# Allegro board reComputer Industrial J201_V1.2.brd (continued)
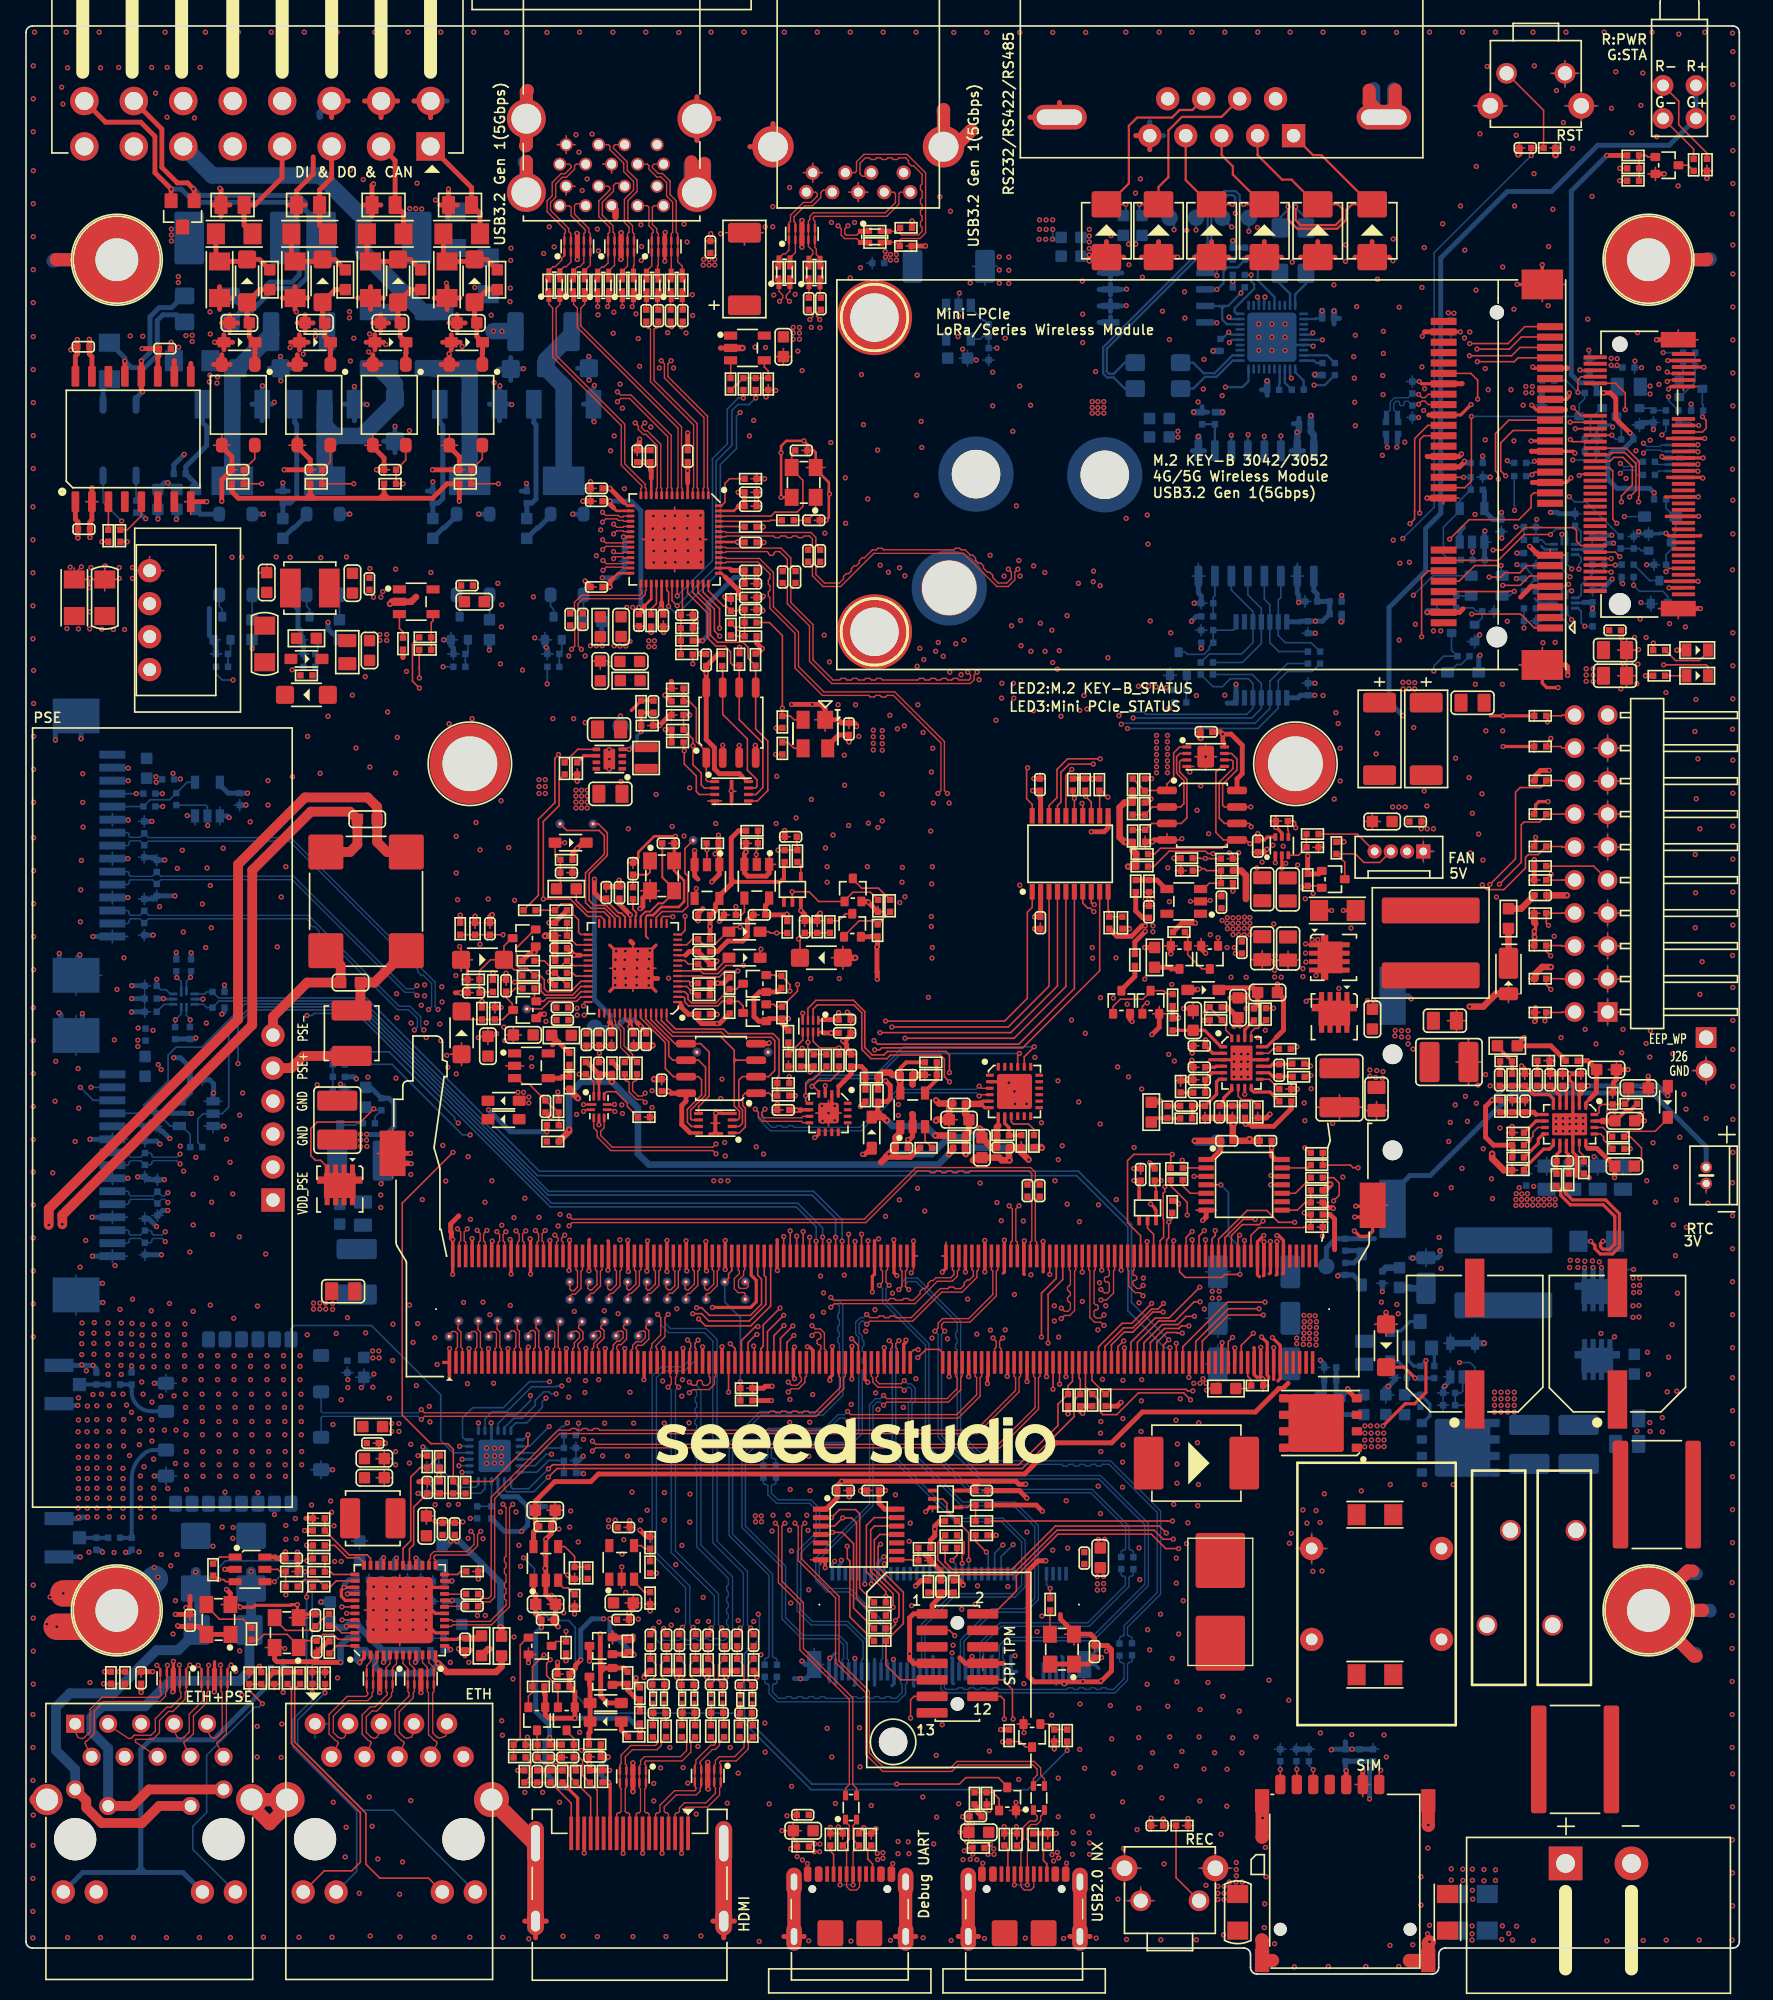
[diagram p0: board, top side]
## Routing (per net, layer and track width the routed paths; a pad name or vN(x,y) marks a point on that pad's centre or on a via; arc(x,y) is an arc through that point) (continued)
CH343_VIO: length 5.2
  TOP w0.254: 62.61,68.37 62.58,68.34 U30.1
  TOP w0.381: 62.61,68.37 62.64,68.37 63.58,69.32 C115.1 64.35,69.88 64.67,69.57 R167.2 64.67,69.02 R172.2
COMP_DC1: length 2.9
  TOP w0.254: U31.5 118.18,67.65 C126.1 C125.1
COMP_DC2: length 2.6
  TOP w0.254: C123.1 C119.1 91.4,69.4 U25.5
CP2102_VIO: length 13.7
  TOP w0.254: U54.6 73.86,66.71 73.54,67.03 73.72,67.21 U54.5
  TOP w0.508: v1(78.26,63.62) 78.21,63.67 R421.1 ; v1(72.42,63.14) 72.35,63.21 R422.1 R420.1 72.65,64.86 C294.1 72.52,65.91 72.52,66.09 72.35,66.26 C295.1 72.38,67 73.51,67 73.54,67.03
  BOTTOM w0.508: v1(78.26,63.62) 72.9,63.62 v1(72.42,63.14)
CSI0_CLK_N: length 56.6
  TOP w0.107: v1(34.76,57.26) 34.99,57.03 34.99,56.46 34.88,56.35 J9.10
  LAY3 w0.084: v1(31.02,74.26) 31.26,74.02 31.26,60.07 32.16,59.17 33.14,59.17 33.37,59.39 33.37,60.33 33.45,60.41 33.62,60.41 33.7,60.33 33.7,59.39 33.92,59.17 34.63,59.17 35.01,58.79 35.01,57.51 v1(34.76,57.26)
  BOTTOM w0.107: J20.8 7.84,86.89 7.95,87 7.95,87.15 8.05,87.25 8.77,87.25 D74.2 9.43,87.24 20.28,87.24 28.36,79.15 28.36,78.97 28.58,78.76 28.76,78.76 28.98,78.54 28.98,78.36 29.19,78.15 29.37,78.15 29.59,77.93 29.59,77.75 29.8,77.54 29.98,77.54 30.2,77.32 30.2,77.14 30.41,76.92 30.59,76.92 31.26,76.26 31.26,74.5 v1(31.02,74.26)
CSI0_CLK_P: length 56.6
  TOP w0.107: v1(35.51,57.26) 35.26,57.01 35.26,56.46 35.38,56.35 J9.12
  LAY3 w0.084: v1(31.75,74.26) 31.5,74.02 31.5,60.17 32.26,59.41 33.05,59.41 33.13,59.49 33.13,60.43 33.35,60.65 33.72,60.65 33.94,60.43 33.94,59.49 34.02,59.41 34.73,59.41 35.24,58.89 35.24,57.54 v1(35.51,57.26)
  BOTTOM w0.107: v1(31.75,74.26) 31.53,74.49 31.53,76.37 20.39,87.51 9.43,87.51 D73.2 8.81,87.52 8.05,87.52 7.95,87.63 7.95,87.78 7.84,87.89 J20.9
CSI0_D0_N: length 56.9
  TOP w0.107: J9.4 33.38,56.35 33.49,56.46 33.49,57.13 v1(33.25,57.38)
  LAY3 w0.084: v1(33.25,57.38) 33.51,57.64 33.51,57.83 33.31,58.03 32.35,58.03 32.26,57.94 32.26,57.53 31.98,57.25 31.53,57.25 31.31,57.47 31.31,58.32 31.22,58.41 31.06,58.41 30.97,58.32 30.97,57.47 30.75,57.25 30.39,57.25 30.16,57.47 30.16,58.58 30.08,58.66 29.91,58.66 29.83,58.58 29.83,57.47 29.61,57.25 29.18,57.25 28.96,57.47 28.96,60.04 30.17,61.26 30.17,72.44 v1(29.92,72.69)
  BOTTOM w0.107: J20.2 7.84,80.89 7.95,81 7.95,81.15 8.05,81.25 8.41,81.25 8.41,81.25 8.78,81.25 D78.2 9.44,81.25 21.64,81.25 21.85,81.04 21.85,80.86 22.07,80.64 22.25,80.64 22.58,80.32 22.58,80.14 22.79,79.92 22.97,79.92 23.35,79.54 23.35,79.36 23.57,79.15 23.75,79.15 24.04,78.86 24.04,78.68 24.25,78.46 24.43,78.46 28.64,74.25 29.48,74.25 30.15,73.58 30.15,72.92 v1(29.92,72.69)
CSI0_D0_P: length 57
  TOP w0.107: v1(34,57.38) 33.76,57.13 33.76,56.46 33.88,56.35 J9.6
  LAY3 w0.084: v1(30.66,72.69) 30.41,72.44 30.41,61.16 29.19,59.94 29.19,57.57 29.28,57.48 29.51,57.48 29.59,57.57 29.59,58.68 29.82,58.9 30.18,58.9 30.4,58.68 30.4,57.57 30.48,57.48 30.65,57.48 30.74,57.57 30.74,58.42 30.96,58.64 31.32,58.64 31.54,58.42 31.54,57.57 31.63,57.48 31.88,57.48 32.03,57.62 32.03,58.04 32.25,58.26 33.4,58.26 33.74,57.92 33.74,57.64 v1(34,57.38)
  BOTTOM w0.107: v1(30.66,72.69) 30.42,72.92 30.42,73.69 29.6,74.52 28.76,74.52 21.75,81.52 9.44,81.52 D77.2 8.78,81.52 8.3,81.52 8.05,81.52 7.95,81.63 7.95,81.78 7.84,81.89 J20.3
CSI0_D1_N: length 60.7
  TOP w0.107: v1(36.27,57.17) 36.49,56.95 36.49,56.46 36.38,56.35 J9.16
  LAY3 w0.084: v1(36.27,57.17) 36.51,56.93 36.51,56.26 36.3,56.05 35.59,56.05 35.46,56.18 35.16,56.18 35.03,56.05 34.73,56.05 34.6,56.18 34.29,56.18 34.17,56.05 33.86,56.05 33.74,56.18 33.43,56.18 33.3,56.05 32.62,56.05 32.49,56.18 32.19,56.18 32.06,56.05 29.01,56.05 28.07,56.99 28.07,58.03 28.2,58.16 28.2,58.47 28.07,58.59 28.07,58.95 28.2,59.08 28.2,59.38 28.07,59.51 28.07,59.81 28.2,59.94 28.2,60.24 28.07,60.37 28.07,60.68 29.24,61.84 29.24,70.89 29.37,71.01 29.37,71.32 29.24,71.45 29.24,71.83 29.37,71.95 29.37,72.26 29.24,72.38 29.24,73.55 29.37,73.68 29.37,73.99 29.24,74.11 29.24,74.42 29.37,74.54 29.37,74.85 29.24,74.98 29.24,75.28 29.57,75.61 29.87,75.61 v1(30.13,75.35)
  BOTTOM w0.107: J20.5 7.84,83.89 7.95,84 7.95,84.15 8.05,84.25 9.76,84.25 D76.2 10.4,84.26 20.51,84.26 29.18,75.6 29.88,75.6 v1(30.13,75.35)
CSI0_D1_P: length 60.7
  TOP w0.107: J9.18 36.88,56.35 36.76,56.46 36.76,56.95 v1(36.98,57.17)
  LAY3 w0.084: v1(36.98,57.17) 36.74,56.93 36.74,56.16 36.4,55.82 28.91,55.82 27.83,56.89 27.83,60.77 29,61.94 29,75.38 29.47,75.85 29.87,75.85 v1(30.13,76.11)
  BOTTOM w0.107: J20.6 7.84,84.89 7.95,84.78 7.95,84.63 8.05,84.52 9.74,84.52 D75.2 10.4,84.53 20.62,84.53 29.29,75.86 29.88,75.86 v1(30.13,76.11)
CSI1_CLK_N: length 3.2
  TOP w0.107: J9.9 34.63,48.15 34.74,48.26 34.74,49.33 34.6,49.47 34.34,49.47 34.15,49.29 TP42.1
CSI1_CLK_P: length 3.3
  TOP w0.107: TP27.1 34.83,50.27 34.83,49.63 35.01,49.44 35.01,48.26 35.13,48.15 J9.11
CSI1_D0_N: length 3.2
  TOP w0.107: J9.3 33.13,48.15 33.24,48.26 33.24,49.32 33.09,49.47 32.82,49.47 32.6,49.25 TP41.1
CSI1_D0_P: length 3.4
  TOP w0.107: J9.5 33.63,48.15 33.51,48.26 33.51,49.43 33.28,49.67 33.28,50.22 TP26.1
CSI1_D1_N: length 3.2
  TOP w0.107: J9.15 36.13,48.15 36.24,48.26 36.24,49.33 36.12,49.45 35.82,49.45 35.65,49.28 TP43.1
CSI1_D1_P: length 3.4
  TOP w0.107: TP28.1 36.3,50.24 36.3,49.65 36.51,49.44 36.51,48.26 36.63,48.15 J9.17
CSI2_CLK_N: length 54.5
  TOP w0.107: v1(39.25,57.25) 39.49,57.01 39.49,56.46 39.38,56.35 J9.28
  LAY3 w0.084: v1(39.25,57.25) 39.51,56.99 39.51,55.45 37.53,53.47 37.16,53.47 37.04,53.6 36.73,53.6 36.61,53.47 36.3,53.47 36.17,53.6 35.87,53.6 35.74,53.47 35.44,53.47 35.31,53.6 35.01,53.6 34.88,53.47 34.57,53.47 34.45,53.6 34.14,53.6 34.01,53.47 10.89,53.47 10.77,53.6 10.46,53.6 10.33,53.47 10.03,53.47 9.38,54.12 9.38,54.3 9.16,54.52 8.98,54.52 8.77,54.73 8.77,55.09 8.89,55.21 8.89,55.52 8.77,55.65 8.77,55.95 8.89,56.08 8.89,56.38 8.77,56.51 8.77,57.32 9.45,58.01 10.47,58.01 10.6,57.88 10.9,57.88 11.03,58.01 11.33,58.01 12.09,58.77 12.09,59.08 12.22,59.2 12.22,59.51 12.09,59.63 12.09,59.99 12.22,60.12 12.22,60.42 12.09,60.55 12.09,60.95 11.21,61.84 11.21,62.45 11.39,62.64 11.61,62.64 v1(11.87,62.38)
  BOTTOM w0.107: v1(11.87,62.38) 11.63,62.62 9.8,62.62 9.7,62.52 9.7,62.41 9.59,62.3 D82.2 8.84,62.62 8.05,62.62 7.95,62.52 7.95,62.38 7.84,62.28 J23.8
CSI2_CLK_P: length 54.6
  TOP w0.107: J9.30 39.88,56.35 39.76,56.46 39.76,57.01 v1(40,57.25)
  LAY3 w0.084: v1(11.87,63.14) 11.61,62.88 11.29,62.88 10.97,62.55 10.97,61.75 11.86,60.86 11.86,58.87 11.23,58.24 9.35,58.24 8.53,57.42 8.53,54.63 9.93,53.23 37.63,53.23 39.74,55.35 39.74,56.99 v1(40,57.25)
  BOTTOM w0.107: J23.9 7.84,63.28 7.95,63.17 7.95,63.02 8.07,62.89 8.84,62.89 D81.2 9.59,63.21 9.7,63.11 9.7,63 9.8,62.89 11.63,62.89 v1(11.87,63.14)
CSI2_D0_N: length 49.8
  TOP w0.107: v1(37.75,57.23) 37.99,56.98 37.99,56.46 37.88,56.35 J9.22
  LAY3 w0.084: v1(10.73,56.4) 10.47,56.66 10.08,56.66 9.86,56.43 9.86,55.19 10.54,54.51 10.88,54.51 11,54.64 11.31,54.64 11.43,54.51 11.74,54.51 11.87,54.64 12.17,54.64 12.3,54.51 12.6,54.51 12.73,54.64 13.03,54.64 13.16,54.51 13.47,54.51 13.59,54.64 13.9,54.64 14.02,54.51 14.33,54.51 14.46,54.64 14.76,54.64 14.89,54.51 16,54.51 16.08,54.59 16.08,54.97 16.3,55.19 16.67,55.19 16.89,54.97 16.89,54.59 16.97,54.51 17.98,54.51 18.07,54.59 18.07,54.66 18.29,54.88 18.65,54.88 18.88,54.66 18.88,54.59 18.96,54.51 19.13,54.51 19.21,54.59 19.21,54.66 19.43,54.88 19.8,54.88 20.02,54.66 20.02,54.59 20.1,54.51 21.37,54.51 21.46,54.59 21.46,54.87 21.68,55.09 22.04,55.09 22.26,54.87 22.26,54.59 22.35,54.51 22.52,54.51 22.6,54.59 22.6,54.87 22.82,55.09 23.18,55.09 23.41,54.87 23.41,54.59 23.49,54.51 23.66,54.51 23.74,54.59 23.74,54.87 23.96,55.09 24.33,55.09 24.55,54.87 24.55,54.59 24.63,54.51 24.8,54.51 24.88,54.59 24.88,54.87 25.11,55.09 25.47,55.09 25.69,54.87 25.69,54.59 25.78,54.51 25.94,54.51 26.03,54.59 26.03,54.87 26.25,55.09 26.61,55.09 26.84,54.87 26.84,54.59 26.92,54.51 27.09,54.51 27.17,54.59 27.17,54.87 27.39,55.09 27.76,55.09 27.98,54.87 27.98,54.59 28.06,54.51 28.23,54.51 28.31,54.59 28.31,54.87 28.54,55.09 28.9,55.09 29.12,54.87 29.12,54.59 29.21,54.51 29.37,54.51 29.46,54.59 29.46,54.87 29.68,55.09 30.04,55.09 30.26,54.87 30.26,54.59 30.35,54.51 30.69,54.51 30.77,54.59 30.77,54.87 31,55.09 31.36,55.09 31.58,54.87 31.58,54.59 31.66,54.51 32.52,54.51 32.64,54.64 32.95,54.64 33.07,54.51 33.38,54.51 33.51,54.64 33.81,54.64 33.94,54.51 34.24,54.51 34.37,54.64 34.67,54.64 34.8,54.51 35.11,54.51 35.23,54.64 35.54,54.64 35.67,54.51 35.97,54.51 36.1,54.64 36.4,54.64 36.53,54.51 36.91,54.51 38.01,55.6 38.01,56.97 v1(37.75,57.23)
  BOTTOM w0.107: v1(10.73,56.4) 10.49,56.64 9.8,56.64 9.7,56.54 9.7,56.41 9.59,56.31 D86.2 8.83,56.64 8.05,56.64 7.95,56.53 7.95,56.38 7.84,56.28 J23.2
CSI2_D0_P: length 49.9
  TOP w0.107: J9.24 38.38,56.35 38.26,56.46 38.26,56.98 v1(38.5,57.23)
  LAY3 w0.084: v1(10.73,57.16) 10.47,56.89 9.99,56.89 9.62,56.53 9.62,55.09 10.44,54.27 16.09,54.27 16.32,54.5 16.32,54.87 16.4,54.95 16.57,54.95 16.65,54.87 16.65,54.5 16.87,54.27 18.08,54.27 18.3,54.5 18.3,54.56 18.39,54.65 18.56,54.65 18.64,54.56 18.64,54.5 18.86,54.27 19.23,54.27 19.45,54.5 19.45,54.56 19.53,54.65 19.7,54.65 19.78,54.56 19.78,54.5 20,54.27 21.47,54.27 21.69,54.5 21.69,54.77 21.78,54.85 21.94,54.85 22.03,54.77 22.03,54.5 22.25,54.27 22.61,54.27 22.84,54.5 22.84,54.77 22.92,54.85 23.09,54.85 23.17,54.77 23.17,54.5 23.39,54.27 23.76,54.27 23.98,54.5 23.98,54.77 24.06,54.85 24.23,54.85 24.31,54.77 24.31,54.5 24.54,54.27 24.9,54.27 25.12,54.5 25.12,54.77 25.2,54.85 25.37,54.85 25.46,54.77 25.46,54.5 25.68,54.27 26.04,54.27 26.26,54.5 26.26,54.77 26.35,54.85 26.52,54.85 26.6,54.77 26.6,54.5 26.82,54.27 27.19,54.27 27.41,54.5 27.41,54.77 27.49,54.85 27.66,54.85 27.74,54.77 27.74,54.5 27.96,54.27 28.33,54.27 28.55,54.5 28.55,54.77 28.63,54.85 28.8,54.85 28.89,54.77 28.89,54.5 29.11,54.27 29.47,54.27 29.69,54.5 29.69,54.77 29.78,54.85 29.94,54.85 30.03,54.77 30.03,54.5 30.25,54.27 30.79,54.27 31.01,54.5 31.01,54.77 31.09,54.85 31.26,54.85 31.34,54.77 31.34,54.5 31.57,54.27 37.01,54.27 38.24,55.51 38.24,56.97 v1(38.5,57.23)
  BOTTOM w0.107: J23.3 7.84,57.28 7.95,57.17 7.95,57.02 8.05,56.91 8.83,56.91 D85.2 9.59,57.25 9.7,57.14 9.7,57.02 9.8,56.91 10.49,56.91 v1(10.73,57.16)
CSI2_D1_N: length 52.2
  TOP w0.107: v1(40.75,56.9) 40.99,56.65 40.99,56.46 40.88,56.35 J9.34
  LAY3 w0.084: v1(40.75,56.9) 41.01,56.64 41.01,55.45 38.18,52.62 37.8,52.62 37.67,52.75 37.37,52.75 37.24,52.62 36.94,52.62 36.81,52.75 36.5,52.75 36.38,52.62 36.07,52.62 35.94,52.75 35.64,52.75 35.51,52.62 35.11,52.62 34.98,52.75 34.67,52.75 34.55,52.62 11.97,52.62 11.84,52.75 11.54,52.75 11.41,52.62 11.05,52.62 10.93,52.75 10.62,52.75 10.49,52.62 10.11,52.62 9.99,52.75 9.68,52.75 9.55,52.62 9.25,52.62 7.78,54.1 7.78,54.4 7.9,54.53 7.9,54.83 7.78,54.96 7.78,55.27 7.9,55.39 7.9,55.7 7.78,55.82 7.78,56.13 7.9,56.26 7.9,56.56 7.78,56.69 7.78,58.21 9.23,59.67 10.67,59.67 v1(10.93,59.41)
  BOTTOM w0.107: J23.5 7.84,59.28 7.95,59.38 7.95,59.53 8.06,59.65 9.8,59.65 D84.2 10.45,59.65 10.69,59.65 v1(10.93,59.41)
CSI2_D1_P: length 52.3
  TOP w0.107: v1(41.5,56.9) 41.26,56.65 41.26,56.46 41.38,56.35 J9.36
  LAY3 w0.084: v1(10.93,60.17) 10.67,59.9 9.13,59.9 7.54,58.31 7.54,54 9.15,52.39 38.28,52.39 41.24,55.35 41.24,56.64 v1(41.5,56.9)
  BOTTOM w0.107: v1(10.93,60.17) 10.69,59.92 10.45,59.92 D83.2 9.8,59.92 8.05,59.92 7.95,60.03 7.95,60.17 7.84,60.28 J23.6
CSI3_CLK_N: length 3.3
  TOP w0.107: J9.27 39.13,48.15 39.24,48.26 39.24,49.42 39.11,49.55 38.92,49.55 38.7,49.33 TP45.1
CSI3_CLK_P: length 3.4
  TOP w0.107: J9.29 39.63,48.15 39.51,48.26 39.51,49.53 39.3,49.74 39.3,50.14 TP30.1
CSI3_D0_N: length 3.3
  TOP w0.107: TP44.1 37.15,49.28 37.39,49.52 37.6,49.52 37.74,49.38 37.74,48.26 37.63,48.15 J9.21
CSI3_D0_P: length 3.3
  TOP w0.107: J9.23 38.13,48.15 38.01,48.26 38.01,49.49 37.85,49.65 37.85,50.24 TP29.1
CSI3_D1_N: length 3.2
  TOP w0.107: TP36.1 40.28,49.34 40.41,49.51 40.56,49.53 40.74,49.4 40.74,48.26 40.63,48.15 J9.33
CSI3_D1_P: length 3.2
  TOP w0.107: TP31.1 41.01,50.06 41.01,48.26 41.13,48.15 J9.35
CSI4_CLK_N: length 3.7
  TOP w0.107: TP10.1 44.81,53.2 44.81,52.81 44.95,52.67 45.08,52.67 45.49,53.08 45.49,54.12 45.38,54.24 J9.52
CSI4_CLK_P: length 3.8
  TOP w0.107: TP20.1 44.9,52.27 45.03,52.41 45.19,52.41 45.76,52.97 45.76,54.12 45.88,54.24 J9.54
CSI4_D0_N: length 3.7
  TOP w0.107: TP9.1 43.29,53.18 43.29,52.81 43.42,52.67 43.58,52.67 43.99,53.08 43.99,54.12 43.88,54.24 J9.46
CSI4_D0_P: length 3.9
  TOP w0.107: J9.48 44.38,54.24 44.26,54.12 44.26,52.97 43.69,52.41 43.51,52.41 43.4,52.3 TP19.1
CSI4_D1_N: length 3.7
  TOP w0.107: J9.58 46.88,54.24 46.99,54.12 46.99,53.13 46.53,52.67 46.39,52.67 46.28,52.78 46.28,53.22 TP11.1
CSI4_D1_P: length 3.9
  TOP w0.107: J9.60 47.38,54.24 47.26,54.12 47.26,53.02 46.64,52.41 46.48,52.41 46.35,52.27 TP21.1
CSI4_D2_N: length 3.7
  TOP w0.107: TP8.1 41.9,52.74 42.02,52.62 42.22,52.62 42.49,52.9 42.49,54.12 42.38,54.24 J9.40
CSI4_D2_P: length 3.9
  TOP w0.107: J9.42 42.88,54.24 42.76,54.12 42.76,52.78 42.33,52.35 42.07,52.35 41.9,52.19 TP18.1
CSI4_D3_N: length 3.7
  TOP w0.107: TP12.1 47.78,53.22 47.78,52.78 47.89,52.67 48.03,52.67 48.49,53.13 48.49,54.12 48.38,54.24 J9.64
CSI4_D3_P: length 3.9
  TOP w0.107: TP22.1 47.85,52.3 47.96,52.41 48.14,52.41 48.76,53.02 48.76,54.12 48.88,54.24 J9.66
CSI5_CLK_N: length 3.7
  TOP w0.107: TP14.1 50.78,53.22 50.78,52.78 50.89,52.67 51.03,52.67 51.49,53.13 51.49,54.12 51.38,54.24 J9.76
CSI5_CLK_P: length 3.9
  TOP w0.107: TP24.1 50.85,52.28 50.98,52.41 51.14,52.41 51.76,53.02 51.76,54.12 51.88,54.24 J9.78
CSI5_D0_N: length 3.7
  TOP w0.107: TP13.1 49.31,53.2 49.31,52.85 49.46,52.69 49.68,52.69 49.99,53 49.99,54.12 49.88,54.24 J9.70
CSI5_D0_P: length 3.9
  TOP w0.107: J9.72 50.38,54.24 50.26,54.12 50.26,52.89 49.79,52.42 49.55,52.42 49.4,52.27 TP23.1
CSI5_D1_N: length 3.7
  TOP w0.107: J9.82 52.88,54.24 52.99,54.12 52.99,53.12 52.54,52.68 52.41,52.67 52.28,52.79 52.27,53.2 TP15.1
CSI5_D1_P: length 3.9
  TOP w0.107: J9.84 53.38,54.24 53.26,54.12 53.26,53.01 52.66,52.41 52.49,52.41 52.39,52.29 TP25.1
DCIN_SENSE: length 3.7
  BOTTOM w0.127: U49.2 110.69,44.88 110.55,44.74 C249.1 110.11,44.25 110.1,44.24 R378.1 R377.2
DEVICE_RESET: length 182.1
  TOP w0.127: U13.2 59.17,96.58 58.88,96.87 R73.2 v1(58.27,97.48) 58.27,103.07 57.28,104.06 R53.1 ; v1(32.9,63.27) 28.99,59.35 28.99,43.05 31.2,40.84 32.49,40.84 32.92,40.41 R210.1
  LAY3 w0.127: v1(32.9,63.27) 32.59,63.57 32.59,66.82 33.87,68.11 33.87,87.66 29.21,92.32 29.21,99.72 29.32,99.82 v1(29.32,100.3)
  LAY4 w0.127: v1(29.32,100.3) 30.71,100.3 33.43,97.58 57.78,97.58 57.88,97.48 v1(58.27,97.48) 58.69,97.48 58.84,97.33 76.43,97.33 77.14,98.04 82.12,98.04 85.45,101.37 101.45,101.37 107.4,107.31 111.81,107.31 113.39,108.88 113.72,108.88 115.68,110.84 116.51,110.84 117.9,112.22 v1(123.14,112.22)
  BOTTOM w0.127: D67.2 v1(123.14,112.22)
DI_1_GPIO01: length 107.8
  TOP w0.127: Q5.4 35.15,116.67 C24.1 R47.2 v1(36.4,114.75) ; v1(61.88,56.43) J9.118
  LAY3 w0.127: v1(61.88,56.43) 61.88,57.5 68.38,64 68.38,95.47 69.65,96.74 69.65,103.77 66.44,106.98 v1(66.44,107.93)
  LAY4 w0.127: v1(66.44,107.93) 66.16,107.66 63.27,107.66 57.15,101.54 53.85,101.54 53.12,102.28 51.79,102.28 51.11,101.59 44.61,101.59 44.02,101.01 39.82,101.01 38.18,102.65 38.18,112.97 v1(36.4,114.75)
DI_2_GPIO09: length 132.6
  TOP w0.127: v1(89.08,49.35) 88.69,49.35 88.64,49.4 87.89,49.4 87.13,48.64 J9.211 ; Q4.4 29.26,116.57 C23.1 R46.2 v1(29.06,114.75)
  LAY3 w0.127: v1(76.62,104.23) 76.62,103.22 76.19,102.79 76.19,101.16 77.05,100.3 77.05,97.72 76.75,97.42 76.75,84.91 77.31,84.35 77.31,72.37 83.85,65.83 83.85,61.72 84.93,60.64 86.63,60.64 89.21,58.06 89.21,56.19 89.08,56.06 v1(89.08,49.35)
  LAY4 w0.127: v1(29.06,114.75) 29.36,114.45 35.87,114.45 37.95,112.36 37.95,102.56 39.8,100.71 44.17,100.71 44.73,101.26 57.31,101.26 63.4,107.36 67.11,107.36 70.24,104.23 v1(76.62,104.23)
DI_3_GPIO11: length 127.3
  TOP w0.127: J9.216 88.38,56.41 v1(88.42,56.46) ; Q3.4 23.44,116.45 C22.1 R45.2 v1(25.25,114.75)
  LAY3 w0.127: v1(75.93,103.81) 75.89,103.78 75.89,103.72 75.87,103.7 75.87,101.14 76.81,100.2 76.81,97.91 76.51,97.61 76.51,84.68 77.02,84.17 77.02,71.88 77.25,71.65 77.25,70.28 83.09,64.43 83.09,61.26 84.31,60.04 86.47,60.04 88.43,58.07 88.43,56.87 88.42,56.85 v1(88.42,56.46)
  LAY4 w0.127: v1(75.93,103.81) 75.53,103.81 75.51,103.84 70.3,103.84 67.08,107.06 63.46,107.06 57.39,100.99 52.08,100.99 51.53,100.44 39.64,100.44 37.65,102.43 37.65,112.17 35.72,114.09 28.86,114.09 28.2,114.75 v1(25.25,114.75)
DI_4_GPIO13: length 135.3
  TOP w0.127: Q2.4 17.63,116.68 C21.1 R44.2 v1(18.16,114.75) ; J9.228 91.38,56.61 91.62,56.85 v1(91.62,57.25)
  LAY3 w0.127: v1(79.03,103.47) 79.31,103.2 79.31,103.13 80.5,101.95 80.5,99.39 80.17,99.05 80.17,89.4 80.67,88.89 80.67,74.57 88.22,67.03 88.22,64.82 91.62,61.42 v1(91.62,57.25)
  LAY4 w0.127: v1(79.03,103.47) 78.64,103.47 78.55,103.38 70.31,103.38 66.89,106.8 63.53,106.8 57.48,100.76 52.17,100.76 51.63,100.21 39.44,100.21 37.34,102.31 37.34,112.04 35.59,113.79 28.5,113.79 28.1,114.19 18.7,114.19 18.16,114.73 v1(18.16,114.75)
DI_12V_1: length 8.3
  TOP w0.381: R14.1 34.98,135.57 R9.1 34.33,137.56 J2.1
DI_12V_2: length 7.4
  TOP w0.381: R13.1 29.09,135.57 R8.1 28.44,139.64 J2.3
DI_12V_3: length 7.4
  TOP w0.381: R12.1 22.62,134.64 R7.1 22.62,137.38 23.55,138.3 J2.5
DI_12V_4: length 8.7
  TOP w0.381: R11.1 16.81,134.64 R6.1 17.63,136.22 19.74,138.32 J2.7
DISCHG_1V8_SYS: length 5.8
  TOP w0.127: Q51.1 83.76,74.51 84.31,75.06 86.05,75.06 86.64,75.65 Q50.3 87.64,75.72 87.9,75.46 R442.2
DISCHG_3V3_SYS: length 4
  TOP w0.127: R124.2 89.5,80.02 Q10.1 89.5,78.49 90.6,77.39 Q11.3
DO_1_GPIO: length 95.6
  TOP w0.127: v1(86.72,51.63) 85.2,50.11 84.45,50.11 82.63,48.28 J9.193
  LAY3 w0.127: v1(75.19,99.39) 75.59,98.98 75.59,69.77 81.49,63.88 81.49,58.75 86.72,53.51 v1(86.72,51.63)
  LAY4 w0.127: v1(75.19,99.39) 74.79,99.39 74.67,99.26 40.63,99.26 40.55,99.33 v1(40.16,99.33)
  BOTTOM w0.127: R354.1 40.17,99.74 40.16,99.73 v1(40.16,99.33)
DO_2_GPIO: length 105.6
  TOP w0.127: J9.195 83.13,48.32 84.56,49.75 85.28,49.75 86.73,51.2 87.2,51.2 v1(87.63,51.63)
  LAY3 w0.127: v1(76.08,99.39) 76.53,98.93 76.53,98.04 76.13,97.63 76.13,70.23 82.22,64.13 82.22,58.8 87.63,53.39 v1(87.63,51.63)
  LAY4 w0.127: v1(76.08,99.39) 75.59,98.9 34.28,98.9 32.53,100.66 v1(32.13,100.66)
  BOTTOM w0.127: R355.1 v1(32.13,100.66)
DO_3_GPIO: length 117
  TOP w0.127: J9.197 83.63,48.44 84.6,49.42 85.27,49.42 86.82,50.97 v1(87.61,50.97)
  LAY3 w0.127: v1(87.61,50.97) 87.61,51 87.18,51.43 87.18,53.44 81.82,58.8 81.82,64.03 75.82,70.02 75.82,97.96 v1(76.1,98.24)
  LAY4 w0.127: v1(20.5,100.43) 21.09,101.01 30.94,101.01 33.85,98.1 56.92,98.1 57.45,98.64 75.71,98.64 v1(76.1,98.24)
  BOTTOM w0.127: v1(20.5,100.43) 20.73,100.66 R356.1
DO_4_GPIO: length 118.3
  TOP w0.127: v1(84.57,48.75) 84.13,48.3 J9.199
  LAY3 w0.127: v1(75.16,98.24) 75.16,65.78 79.73,61.21 79.73,58.19 84.57,53.35 v1(84.57,48.75)
  LAY4 w0.127: v1(75.16,98.24) 74.77,98.24 74.72,98.19 57.33,98.19 56.98,97.84 33.76,97.84 30.84,100.76 21.52,100.76 20.71,99.95 16.27,99.95 v1(15.96,99.64)
  BOTTOM w0.127: v1(15.96,99.64) 15.12,99.64 14.64,100.11 R357.1
DO_40V_1: length 29.3
  PWR05 w1.27: J2.9 22.94,133.71 22.94,132.05 28.49,126.5 v1(36.02,126.5) 36.02,126.5 v1(36.67,126.5)
  BOTTOM w1.27: F2.2 37.67,126.5 v1(36.02,126.5)
DO_40V_2: length 26.2
  BOTTOM w1.27: J2.11 14.35,138.49 22.7,138.49 25.99,135.2 25.99,132.56 30.58,127.97 F3.2
DO_40V_3: length 23.4
  PWR05 w1.27: J2.13 10.48,138.55 15.3,138.55 20.88,132.97 20.88,130.68 24.03,127.53 v1(24.92,127.53)
  vias: v1(24.92,128.01)
DO_40V_4: length 26.2
  PWR05 w1.27: J2.15 6.62,138.6 7.85,138.6 10.88,135.58 15.47,135.58 18.72,132.33 18.72,128.29 20.91,126.11 v1(22.31,126.11)
  vias: v1(22.31,126.54)
DP0_HPD: length 11.9
  TOP w0.127: v1(55.04,45.59) R448.1 R447.2 ; J9.88 54.38,54.16 54.13,53.92 54.13,53.59 TP16.1
  BOTTOM w0.127: v1(55.04,45.59) 55.04,50.55 53.84,51.75 TP16.1
EEP_EECLK: length 6.3
  TOP w0.127: v1(21.62,33.01) 22.09,33.01 R221.2 ; U37.4 v1(19.15,30.21)
  BOTTOM w0.127: v1(19.15,30.21) 20.32,31.39 21.8,31.39 22.05,31.64 22.05,32.58 v1(21.62,33.01)
EEP_EECS: length 2.8
  TOP w0.127: R234.2 R231.1 19.56,30.99 19.4,31.16 U37.5
EEP_EEDIO: length 10.4
  TOP w0.127: R229.1 14.54,30.67 v1(14.84,30.37) 15.23,30.37 15.39,30.21 U37.3 ; v1(21.64,31.82) 21.81,31.99 R223.2
  BOTTOM w0.127: v1(21.64,31.82) 15.37,31.82 14.84,31.29 v1(14.84,30.37)
EN_1V2: length 2.9
  TOP w0.127: U14.5 42.51,94.3 R77.2
EN_DC1: length 4.3
  TOP w0.127: C130.1 123.46,67.28 R185.2 122.75,67.01 122.7,66.96 R181.1 121.4,66.96 121.19,66.75 121.19,66.34 121.03,66.18 U31.20
ETH_LED0: length 27.9
  TOP w0.127: v1(21.62,29.03) 21.62,29.35 R235.2 ; D97.2 v1(22.07,21.66)
  BOTTOM w0.127: J14.12 25.48,7.9 25.48,12.54 20.55,17.47 20.55,19.6 22.07,21.12 v1(22.07,21.66) 21.62,22.12 v1(21.62,29.03)
ETH_LED1: length 34.4
  TOP w0.127: v1(21.52,30.98) 22.09,30.98 R232.2 ; D96.2 v1(23.04,21.66)
  BOTTOM w0.127: J14.14 28.32,12.62 25.99,12.62 20.94,17.67 20.94,19.56 v1(23.04,21.66) 22.05,22.65 22.05,29.71 21.52,30.25 v1(21.52,30.98)
FAN_PWM: length 41.7
  TOP w0.127: J9.230 91.88,56.59 94.09,58.8 95.58,58.8 96.5,57.88 v1(97.74,57.88) ; v1(97.82,88.26) 97.82,88.65 97.69,88.78 R86.1 97.21,88.08 97.25,88.04 U17.4
  LAY3 w0.127: v1(97.82,88.26) 97.54,87.98 97.54,72.59 97.06,72.11 97.06,67.23 97.62,66.67 97.62,58.4 97.74,58.28 v1(97.74,57.88)
FAN_PWM_Q*: length 4.9
  TOP w0.127: R90.2 102.56,87.78 J7.4
FAN_TACH: length 56.6
  TOP w0.127: Q6.2 99.67,83.79 R103.2 98.71,83.79 98.61,83.69 v1(98.28,83.69) ; J9.208 v1(86.38,56.39)
  LAY3 w0.127: v1(76.56,83.84) 76.56,71.65 76.94,71.27 76.94,70 82.6,64.33 82.6,60.27 86.1,56.78 86.1,56.67 v1(86.38,56.39)
  LAY4 w0.127: v1(76.56,83.84) 76.84,83.56 92.12,83.56 92.68,83 97.59,83 v1(98.28,83.69)
FAN_TACH_CON: length 7
  TOP w0.127: J7.3 104.3,85.59 103.08,85.59 102.42,86.25 R93.2 101.6,85.6 Q6.3
FB_0.8V_DC1: length 5.1
  TOP w0.254: C124.2 R173.2 R174.1 116.15,67.71 117.35,67.71 117.68,67.39 U31.6
FB_0.8V_DC2: length 4.8
  TOP w0.254: U25.6 91.92,68.9 91.72,68.7 91.72,67.74 R180.1 89.85,66.85 C131.2 R186.2
FORCE_OFF*: length 14.9
  TOP w0.127: D32.2 59.63,79.59 v1(59.52,79.7) 59.99,80.17 C87.1 R118.1 R119.2 ; U23.12 50.9,79.25 51.33,79.68 R126.2 52.26,79.19 52.99,79.19 54.05,80.26 D29.1 54.51,80.61 v1(55.02,80.61)
  LAY4 w0.127: v1(59.52,79.7) 58.97,79.7 58.84,79.57 56.06,79.57 v1(55.02,80.61)
FORCE_RECOVERY*: length 60.2
  TOP w0.127: J9.214 87.88,56.52 88.04,56.69 v1(88.04,57.91) 88.31,58.17 D43.2 ; SW2.1 88.6,7.42 D54.2 C200.1 87.61,11.93 v1(87.61,11.93)
  LAY3 w0.127: v1(87.61,11.93) 84.61,14.93 84.61,26.33 86.49,28.21 86.49,48.81 88.09,50.41 88.09,53.94 88.01,54.02 88.01,57.48 88.04,57.51 v1(88.04,57.91)
FREQ_DC1: length 2
  TOP w0.254: R190.1 115.76,65.14 115.79,65.14 116.34,65.68 U31.8
FREQ_DC2: length 2.5
  TOP w0.127: R182.1 94.41,67.33 93.65,67.33 93.4,67.59 U25.8
GANG_PWR: length 2.5
  TOP w0.127: U8.32 48.57,105.53 48.17,105.12 R52.1
GBE_LED_ACT: length 90.5
  TOP w0.127: v1(17.99,23.69) 18,23.69 18.13,23.57 R253.1 ; J9.194 v1(82.88,54.2)
  LAY4 w0.127: v1(17.99,23.69) 19.41,25.12 19.41,27.59 22.77,30.95 36.4,30.95 37.34,30.01 51.84,30.01 52.22,30.39 64.97,30.39 65.28,30.39 65.28,30.39 72.57,30.39 73.59,31.41 73.59,33.24 75.37,35.01 75.37,42.7 77.8,45.14 77.8,51.13 78.62,51.94 80.67,51.94 82.88,54.14 v1(82.88,54.2)
GBE_LED_LINK: length 100.3
  TOP w0.127: v1(81.37,54.05) J9.188 ; R252.1 v1(7.17,23.28)
  LAY4 w0.127: v1(7.17,23.28) 9.04,23.28 10.21,24.46 18.14,24.46 19.08,25.39 19.08,27.63 22.66,31.21 36.5,31.21 37.44,30.27 51.73,30.27 52.11,30.65 72.46,30.65 73.31,31.5 73.31,33.37 75.09,35.15 75.09,42.9 77.52,45.33 77.52,51.28 78.57,52.32 80.45,52.32 81.37,53.25 v1(81.37,54.05)
GBE_MDI0_N: length 117.1
  TOP w0.102: v1(79.76,51.27) 80,51.03 80.27,51.03 80.46,51.22 80.46,51.66 80.36,51.76 80.34,51.76 80.24,51.87 80.24,52.07 80.34,52.17 80.36,52.17 80.46,52.27 80.46,52.48 80.36,52.58 80.34,52.58 80.24,52.68 80.24,52.88 80.34,52.98 80.36,52.98 80.46,53.09 80.46,54.14 80.37,54.22 J9.184 ; v1(10.9,23.77) 10.85,23.72 U61.4 U61.7 10.85,21.78 10.76,21.69 10.76,21.41 10.33,20.98 6,20.98 5.26,20.24 5.26,18.51 4.72,17.97 4.59,17.9 4.54,17.76 J13.2
  LAY3 w0.089: v1(10.9,23.77) 10.65,24.02 10.65,24.34 10.86,24.55 11.04,24.55 11.26,24.77 11.26,24.95 11.47,25.17 11.65,25.17 11.87,25.38 11.87,25.56 13.63,27.33 18.34,27.33 22.46,23.21 74.63,23.21 75.7,24.28 75.7,27.03 81.03,32.36 81.03,50.59 80.6,51.02 80.01,51.02 v1(79.76,51.27)
GBE_MDI0_P: length 117.3
  TOP w0.102: J9.186 80.88,54.22 80.79,54.14 80.79,51.09 80.41,50.71 80,50.71 v1(79.76,50.47) ; v1(10.09,23.77) 10.35,23.51 U61.5 U61.6 10.35,21.78 10.44,21.69 10.44,21.55 10.2,21.31 5.87,21.31 4.94,20.37 4.94,18.64 4.52,18.23 4.3,18.12 4.01,18.22 3.67,18.9 J13.1
  LAY3 w0.089: v1(10.09,23.77) 10.34,24.02 10.34,24.47 13.51,27.63 18.47,27.63 22.58,23.52 71.05,23.52 71.17,23.64 71.48,23.64 71.6,23.52 71.91,23.52 72.04,23.64 72.34,23.64 72.47,23.52 72.77,23.52 72.9,23.64 73.2,23.64 73.33,23.52 73.64,23.52 73.76,23.64 74.07,23.64 74.19,23.52 74.5,23.52 75.39,24.41 75.39,27.15 80.73,32.49 80.73,47.87 80.6,48 80.6,48.31 80.73,48.43 80.73,48.74 80.6,48.87 80.6,49.17 80.73,49.3 80.73,49.6 80.6,49.73 80.6,50.03 80.73,50.16 80.73,50.47 80.47,50.72 80.01,50.72 v1(79.76,50.47)